# Altium PCB calorieScale.PcbDoc (part 1 of 2)
Units mil, origin at the board's own origin, x right, y up, seen from the top; angles counter-clockwise.
Board outline 3937.01 x 3937.01 mil, 4 copper layers (Top Layer, Sig2, Sig3, Bottom Layer), stack 23.756 mil thick; 102 components, 91 nets, 388 pads, 509 vias.
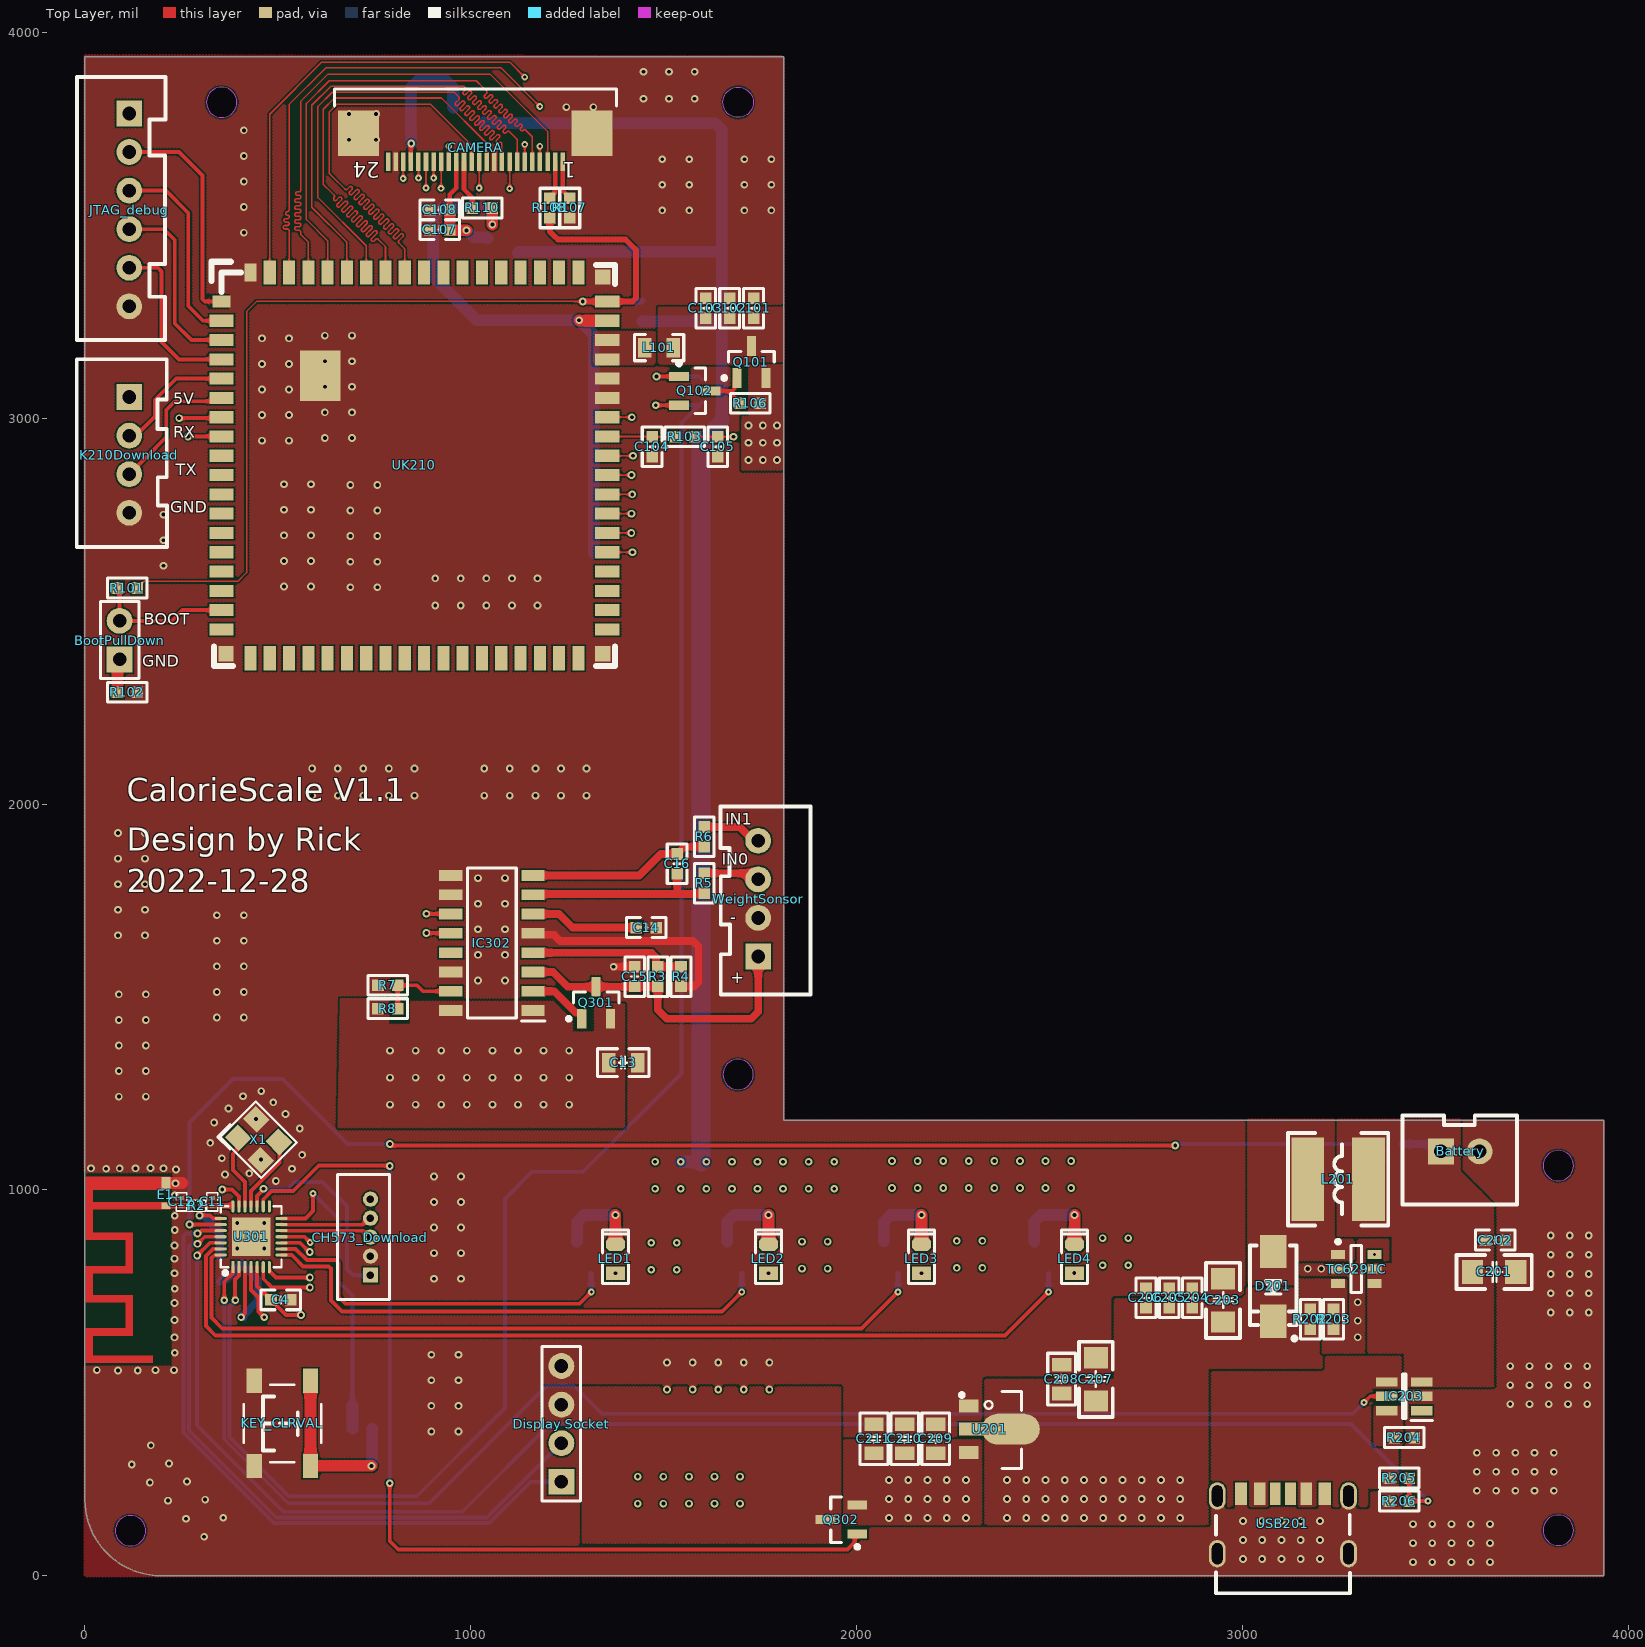
[diagram p0: Top Layer view]
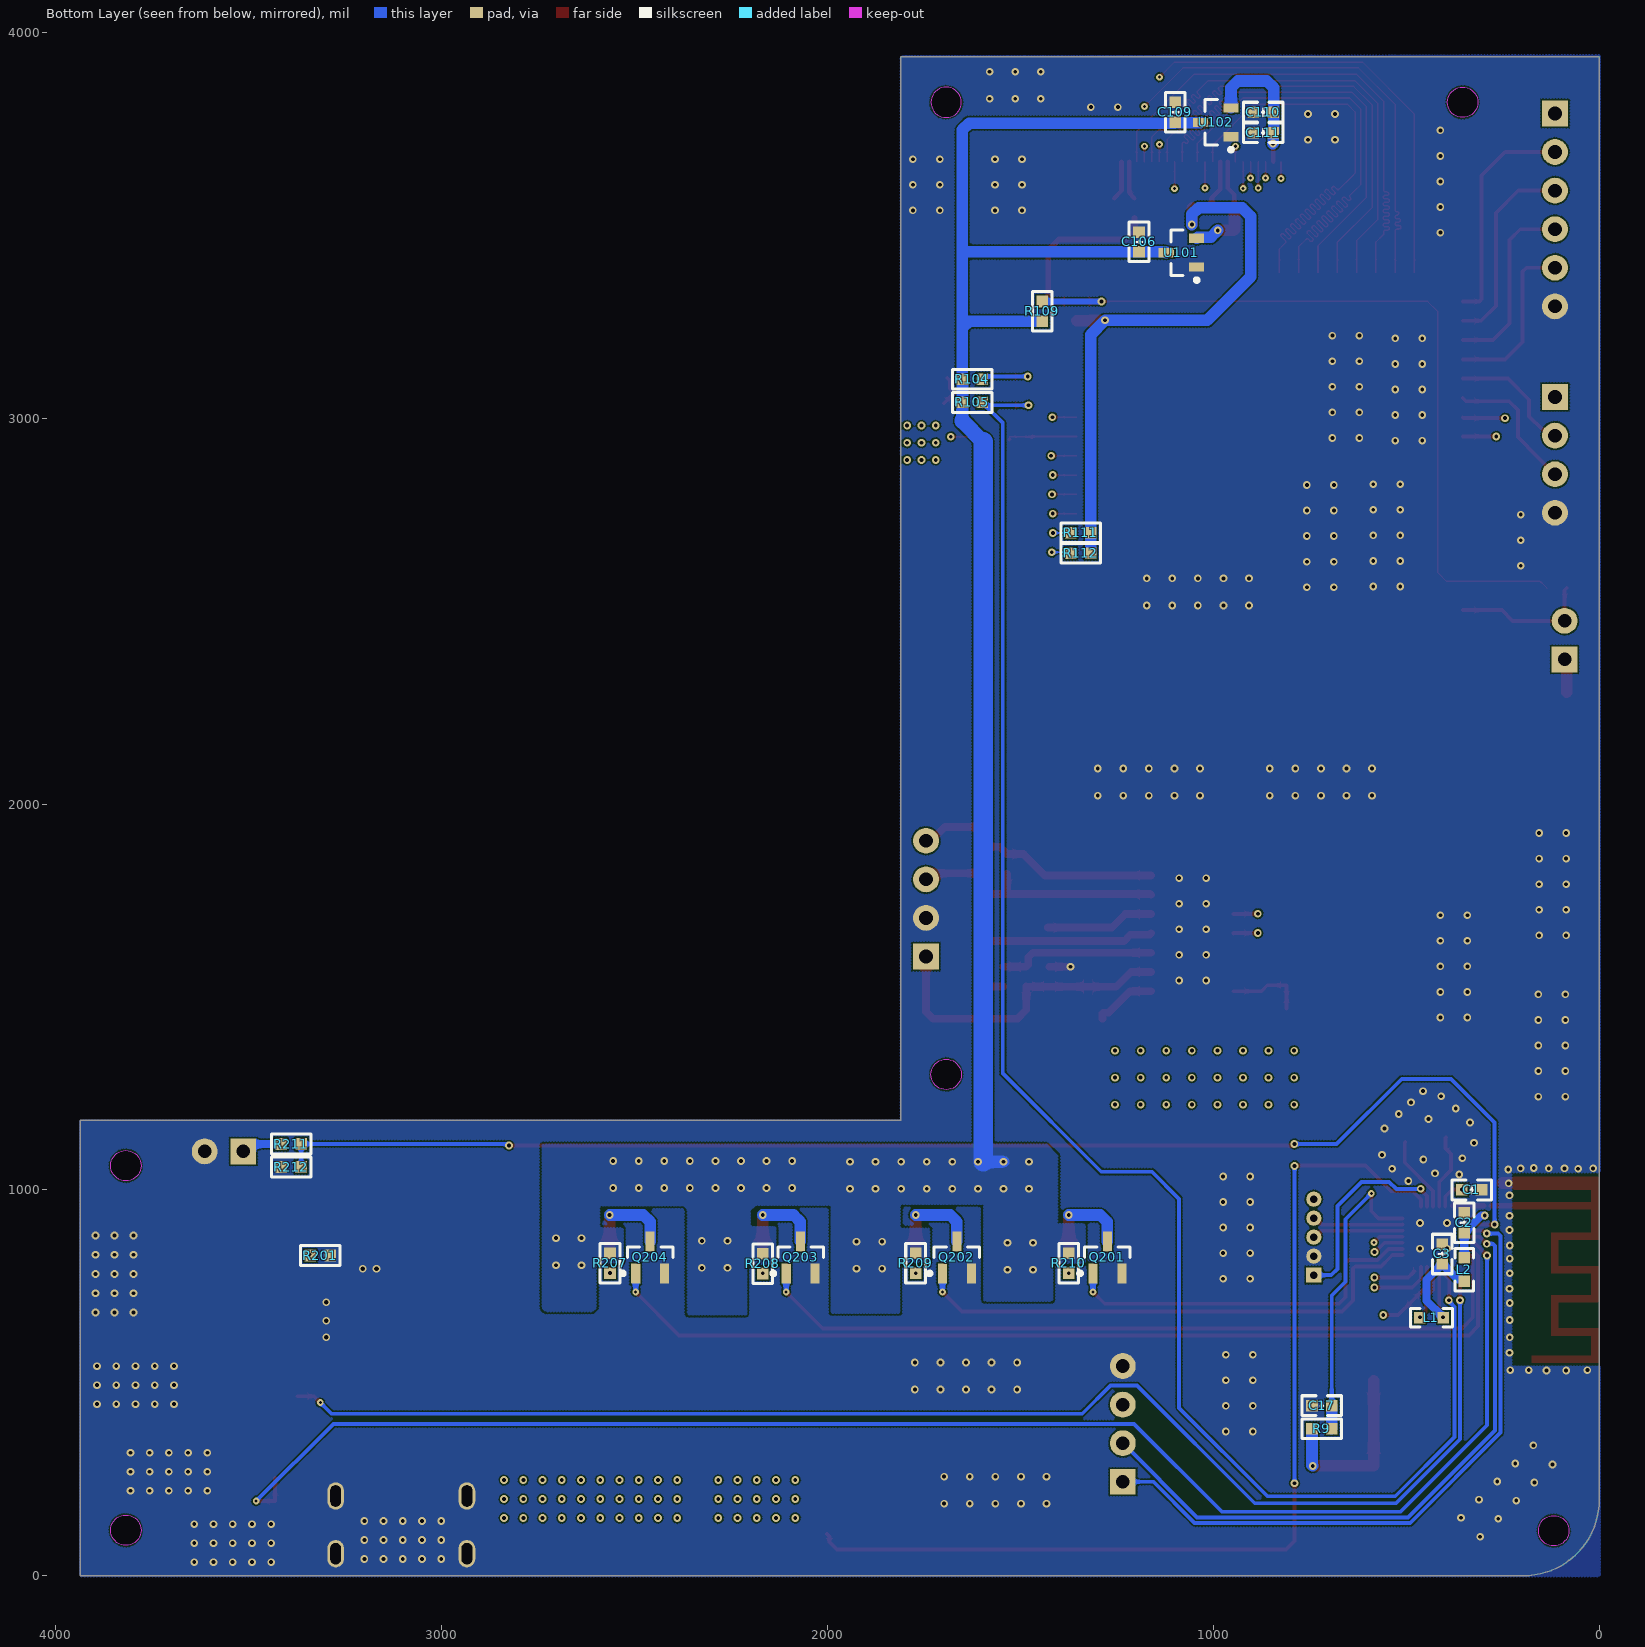
[diagram p1: Bottom Layer view, seen from below]
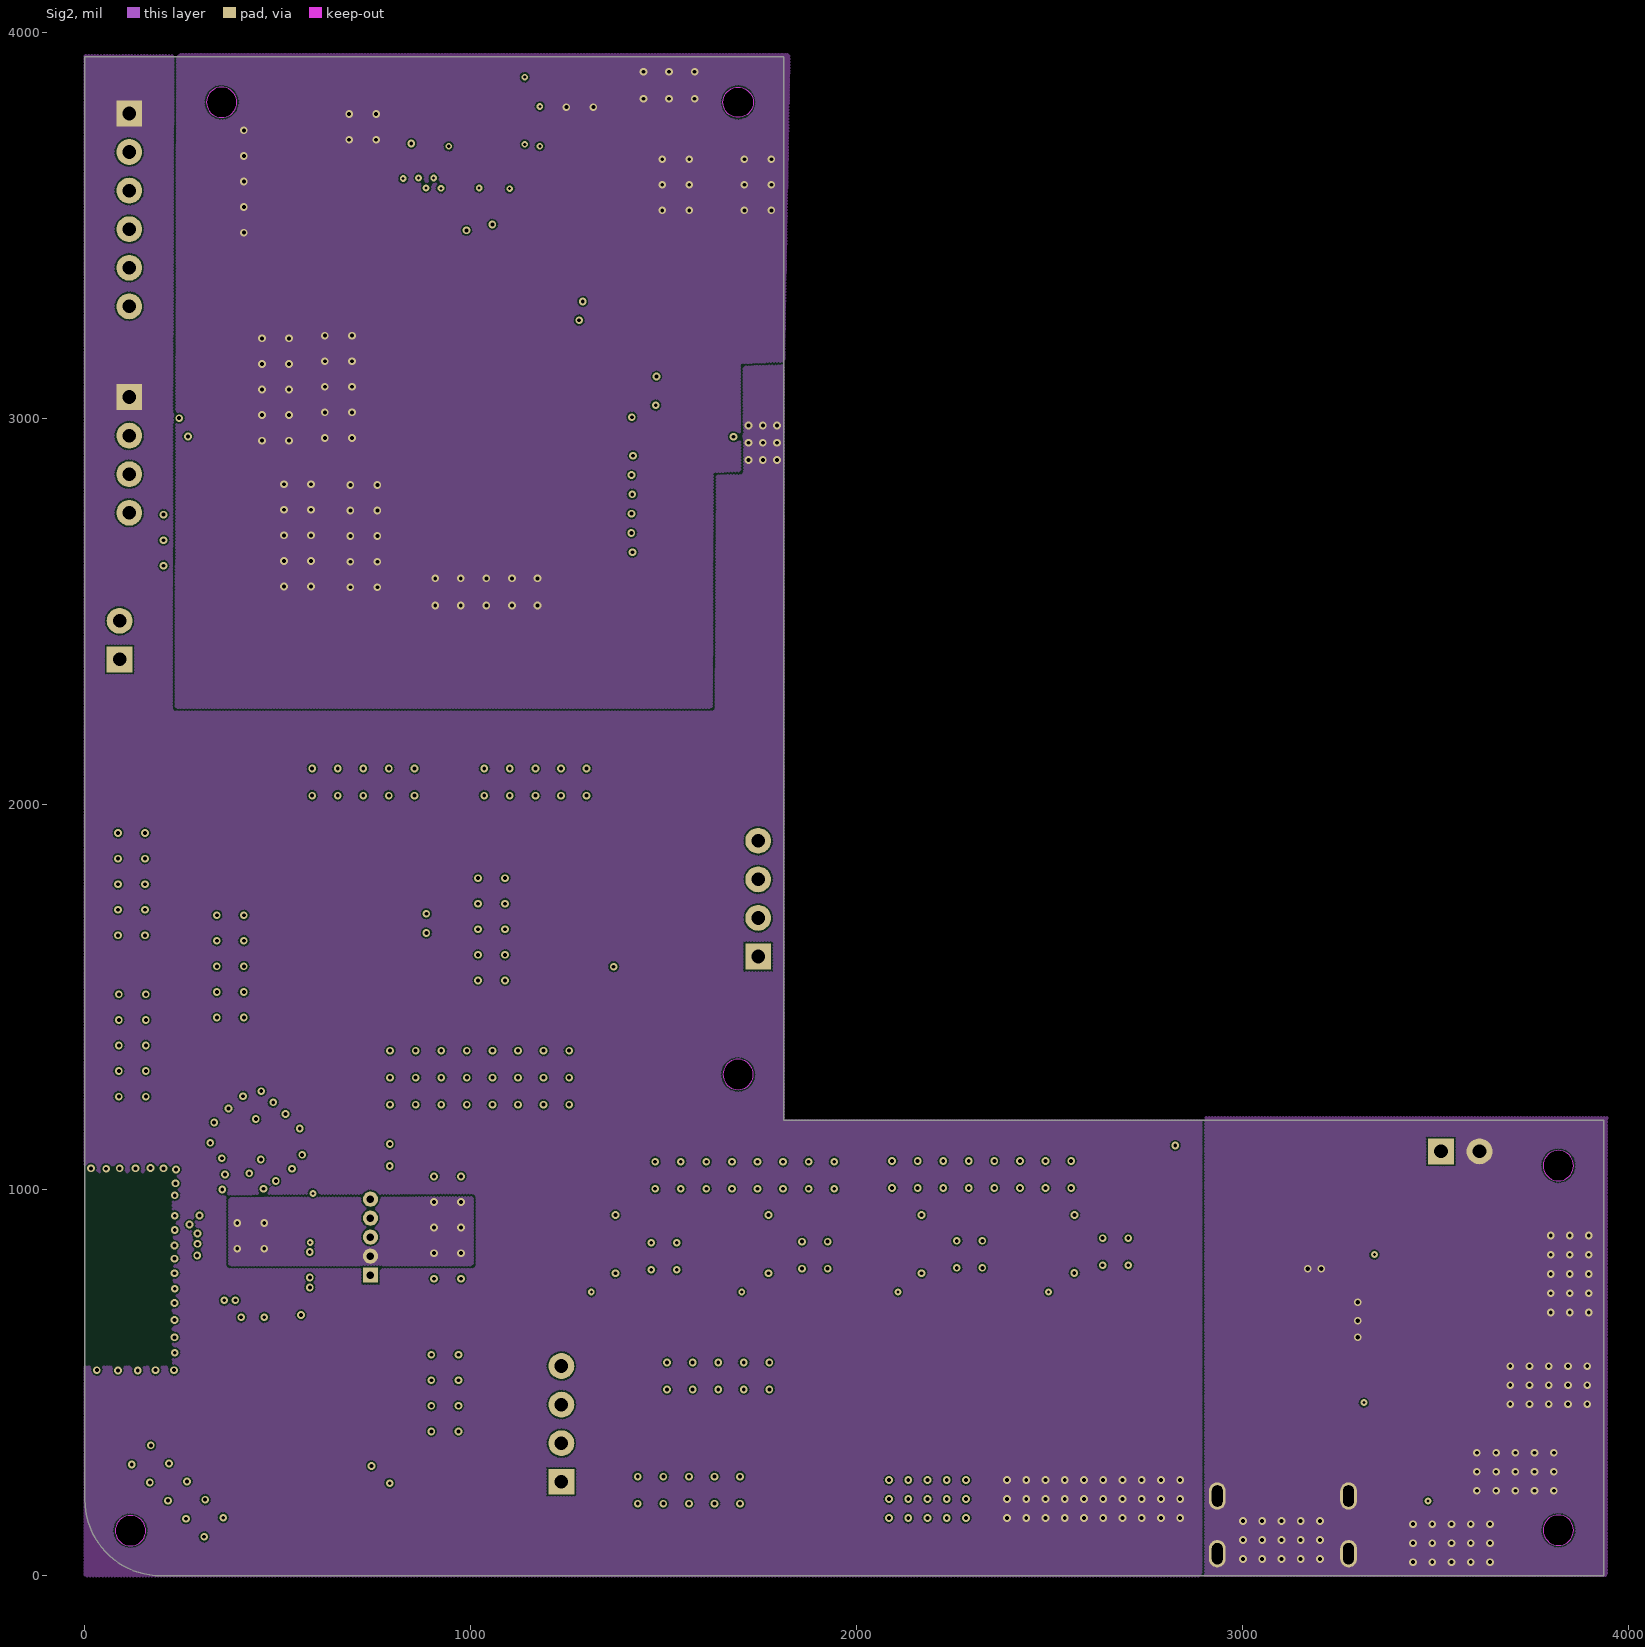
[diagram p2: Sig2]
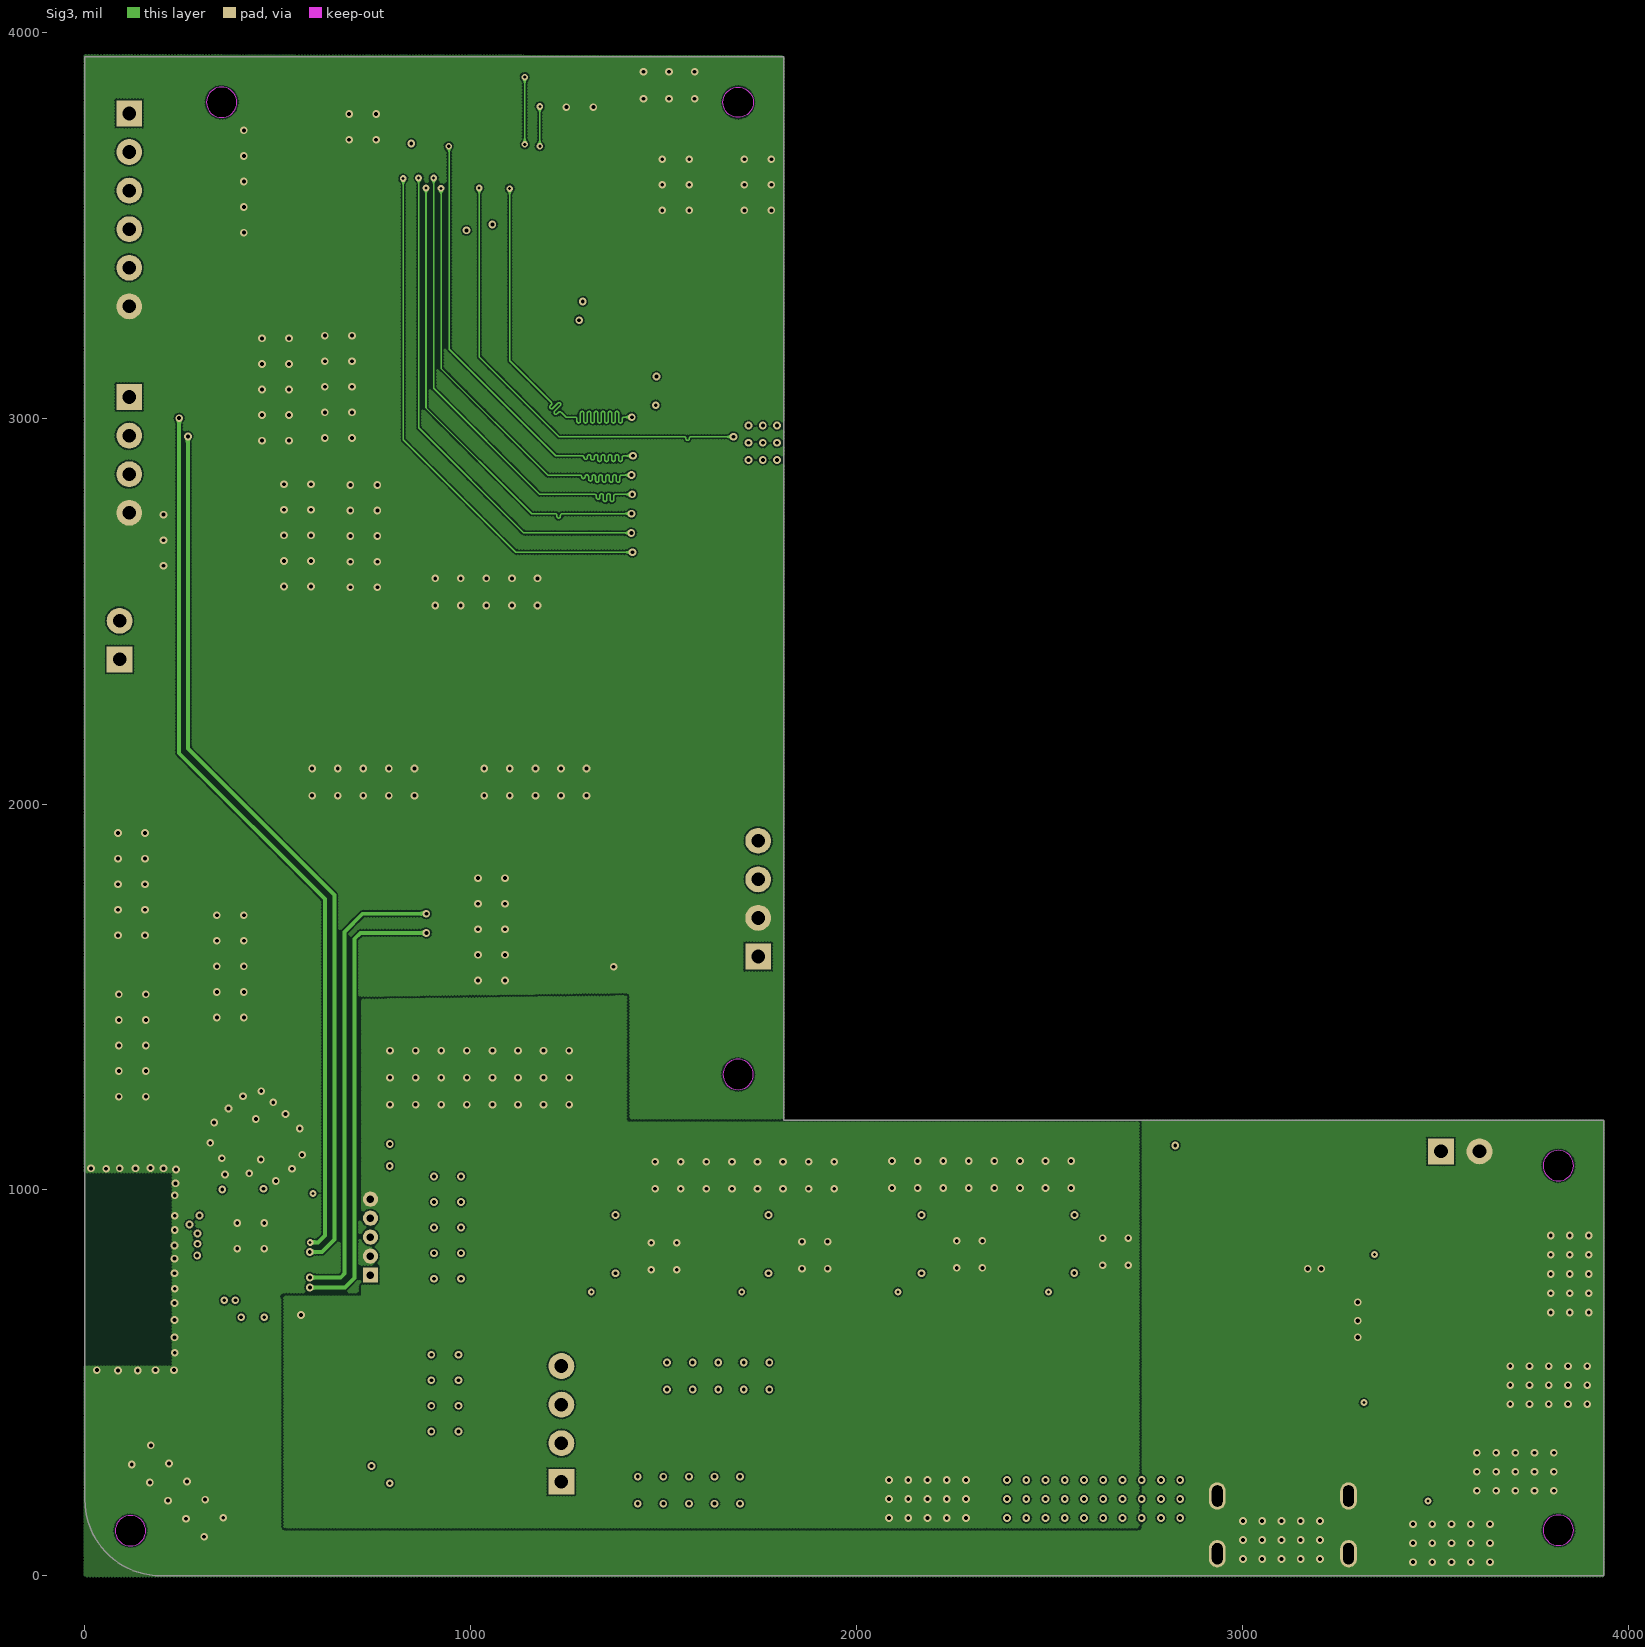
[diagram p3: Sig3]

## Layer stack, top to bottom
Top Solder: solder mask 0.4, Solder Resist, Dk 3.5
Top Layer: signal copper 1.4
Dielectric 2: prepreg 2.8, PP-006, Dk 4.1
Sig2: signal copper 1.378
Dielectric 1: dielectric 12.6, FR-4, Dk 4.8
Sig3: signal copper 1.378
Dielectric 3: prepreg 2.8, PP-006, Dk 4.1
Bottom Layer: signal copper 1.4
Bottom Solder: solder mask 0.4, Solder Resist, Dk 3.5

## Board outline
0,196.85 ccw(c196.85,196.85) 196.85,0 3937.01,0 3937.01,1181.1 1811.02,1181.1 1811.02,3937.01 0,3937.01
cut-out: 1692.91,3779.53 cw(c1692.91,3818.9) 1653.54,3818.9 cw(c1692.91,3818.9) 1692.91,3858.27 cw(c1692.91,3818.9) 1732.28,3818.9 cw(c1692.91,3818.9)
cut-out: 1653.54,1299.21 ccw(c1692.91,1299.21) 1692.91,1259.84 ccw(c1692.91,1299.21) 1732.28,1299.21 ccw(c1692.91,1299.21) 1692.91,1338.58 ccw(c1692.91,1299.21)
cut-out: 3779.53,1062.99 ccw(c3818.9,1062.99) 3818.9,1023.62 ccw(c3818.9,1062.99) 3858.27,1062.99 ccw(c3818.9,1062.99) 3818.9,1102.36 ccw(c3818.9,1062.99)
cut-out: 354.33,3779.53 ccw(c354.33,3818.9) 393.7,3818.9 ccw(c354.33,3818.9) 354.33,3858.27 ccw(c354.33,3818.9) 314.96,3818.9 ccw(c354.33,3818.9)
cut-out: 3779.53,118.11 ccw(c3818.9,118.11) 3818.9,78.74 ccw(c3818.9,118.11) 3858.27,118.11 ccw(c3818.9,118.11) 3818.9,157.48 ccw(c3818.9,118.11)
cut-out: 118.2,77.39 ccw(c118.2,116.76) 157.57,116.76 ccw(c118.2,116.76) 118.2,156.13 ccw(c118.2,116.76) 78.83,116.76 ccw(c118.2,116.76)

## Design rules (kind name [scope] priority, off if disabled: settings)
Clearance [All] p1: gap=4 ignorepadtopadclearanceinfootprint=FALSE
DiffPairsRouting [All] p1: maxlimit=6 minlimit=6 mostfreqgap=6 toplayer_minwidth=9.53 toplayer_maxwidth=9.53 toplayer_prefwidth=9.53 midlayer1_minwidth=9.53 midlayer1_maxwidth=9.53 midlayer1_prefwidth=9.53 midlayer2_minwidth=9.53 midlayer2_maxwidth=9.53 midlayer2_prefwidth=9.53 bottomlayer_minwidth=9.53 bottomlayer_maxwidth=9.53 bottomlayer_prefwidth=9.53 maxuncoupledlength=500
HoleToHoleClearance [All] p1: gap=0 allowstackedmicrovias=TRUE
MinimumSolderMaskSliver [All] p1: minsoldermaskwidth=0
PolygonConnect [All] p1: connectstyle=Direct reliefconductorwidth=10 reliefentries=4 polygonreliefangle="90 Angle" airgapwidth=10
RoutingVias [All] p1: holewidth=10 width=20 viastyle="Through Hole" minholewidth=5 minwidth=5 maxholewidth=20 maxwidth=20
SilkToSilkClearance [All] p1: silktosilkclearance=0
SilkToSolderMaskClearance [IsPad] p1: minsilkscreentomaskgap=0 clearancetoexposedcopper=TRUE
SolderMaskExpansion [All] p1: expansion=4 istentingtop=FALSE
Width PWR [InNetClass('POWER')] p1: maxlimit=100 minlimit=10 preferedwidth=15
Width [All] p2: maxlimit=100 minlimit=3 preferedwidth=4
25 further rules are at their usual default settings.

## Classes and differential pairs
net class CAM: CAM_RESET D0 D1 D2 D3 D4 D5 D6 D7 DVP_SCL DVP_SDA HS MCLK PCLK PWDN VS XCLK
component class Power: Battery C201 C202 C203 C204 C205 C206 C207 C208 C209 C210 C211 D201 IC203 L201 LED1 LED2 LED3 LED4 Q201 Q202 Q203 Q204 R201 R202 R203 R204 R205 R206 R207 R208 R209 R210 R211 R212 TC6291C U201 USB201
component class K210Module: BootPullDown C101 C102 C103 C104 C105 CAMERA JTAG_debug K210Download L101 Q101 Q102 R101 R102 R103 R104 R105 R106 UK210
component class CH573: C1 C2 C3 C4 C11 C12 C13 C14 C15 C16 C17 CH573_Download "Display Socket" E1 IC302 KEY_CLRVAL L1 L2 Q301 Q302 R2 R3 R4 R5 R6 R7 R8 R9 U301 WeightSonsor X1

## Components (designator, comment, footprint, x,y, rotation, side; value= is the part's Value field where it differs from the comment)
Battery "HDR-1X2" XH2.54-LI-2P 3564.53,1100 r0 top locked
BootPullDown "HDR-1X2" HDR2.54-LI-2P 90,2425 r90 top
C1 "1uF" C0603_L 331,1000 r180 bottom
C2 "0.1uF" C0603_L 350,915 r90 bottom
C3 "2.2uF" C0603_L 407,834 r90 bottom
C4 "2.2uF" C0603_L 508,715 r0 top
C11 "1uF" C0201_L 330,969 r90 top
C12 "1uF" C0201_L 250,969 r90 top
C13 "10uF 16V" C0805_L 1395,1330 r180 top
C14 "100nF 16V" C0603_L 1455,1680 r0 top
C15 "10uF 16V" C0603_L 1425,1553 r270 top
C16 "10uF 16V" C0603_L 1535,1845 r270 top
C17 "10uF 16V" C0603_L 719.13,441.06 r180 bottom
C101 "1uF" C0603_L 1733,3285 r270 top
C102 "100nF" C0603_L 1671,3285 r270 top
C103 "100nF" C0603_L 1609,3285 r270 top
C104 "100nF" C0603_L 1470,2926 r90 top
C105 "100nF" C0603_L 1640,2926.41 r90 top
C106 "1uF" C0603_L 1193,3457 r270 bottom
C107 "1uF" C0603_L 920,3489 r0 top
C108 "100nF" C0603_L 920,3540 r0 top
C109 "1uF" C0603_L 1099,3793 r270 bottom
C110 "1uF" C0603_L 871,3793.41 r180 bottom
C111 "100nF" C0603_L 871,3740 r180 bottom
C201 "22uF 10% 25V" C1206_L 3653.54,787.4 r180 top
C202 "0.1uF 10% 25V" C0603_L 3655.51,870.08 r180 top
C203 "22uF 10% 25V" C1206_L 2950,715 r270 top
C204 "0.1uF 10% 25V" C0603_L 2870,720.12 r270 top
C205 "0.1uF 10% 25V" C0603_L 2810,720.12 r270 top
C206 "0.1uF 10% 25V" C0603_L 2750,720.12 r270 top
C207 "22uF 10% 25V" C1206_L 2620,510 r270 top
C208 "10uF 10% 25V" C0805_L 2531.5,509.84 r270 top
C209 "10uF 10% 25V" C0805_L 2205,355 r270 top
C210 "1uF 10% 25V" C0805_L 2125,355 r270 top
C211 "100nF 10% 25V" C0805_L 2045,355 r270 top